# Altium PCB LimeNet-Micro_2v1.PcbDoc (part 3 of 11) (continued)
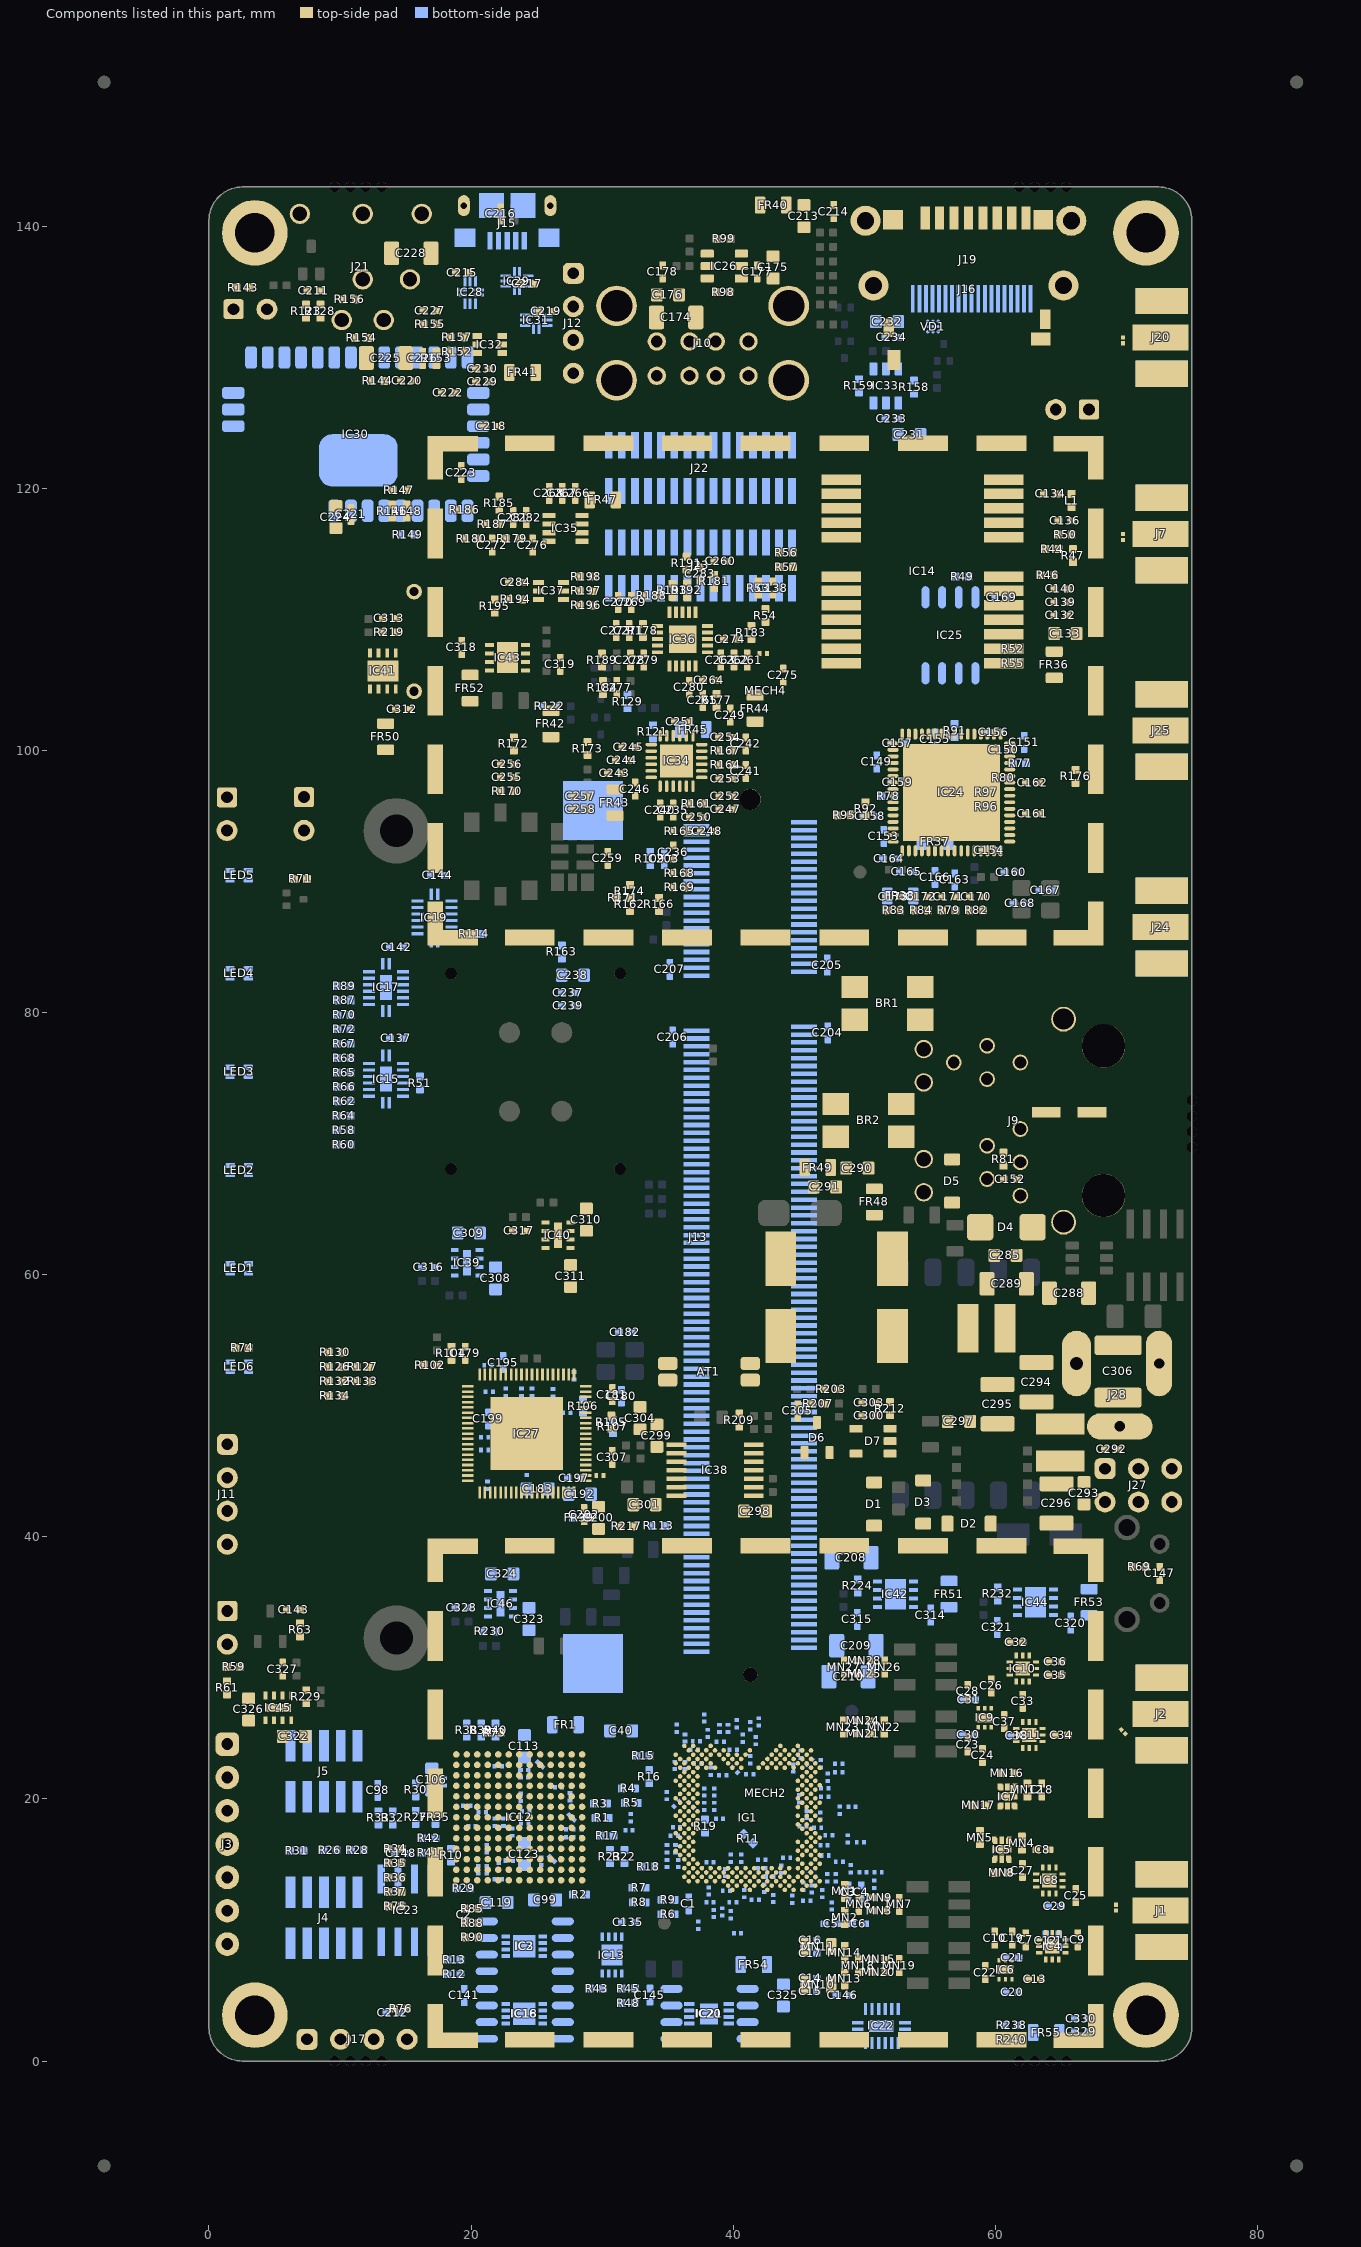
[diagram p7: the components of this part, seen from the top]
## Part data (continued)
C288 C289: library part Cap_1206, Manufacturer="TDK Corporation", Manufacturer Part Number 1=C3216X7S2A225K160AE, Operating Temperature="-55°C ~ 125°C", Package / Case="1206 (3216 Metric)", Ratings=-, Supplier Part Number 1=445-8900-1-ND, Temperature Coefficient=X7S, Tolerance=±10%, Voltage - Rated=100V, Applications="Boardflex Sensitive", Category=Capacitors, Failure Rate=-, Features="Soft Termination", Height - Seated (Max)=-, Lead Spacing=-, Lead Style=-, Mounting Type="Surface Mount, MLCC", Packaging="Cut Tape (CT)", Part Description="2.2µF ±10% 100V Ceramic Capacitor X7S 1206 (3216 Metric)", Part Status=Active, RoHS="RoHS Compliant", Size / Dimension="0.126\" L x 0.063\" W (3.20mm x 1.60mm)", Supplier 1=Digi-Key, Thickness (Max)="0.075\" (1.90mm)"
C290 C291 C297: library part Cap_0603, Capacitance=1nF, Case/Package=0603, Case Code (Metric)=1608, Dielectric=X7R, Dielectric Material=Ceramic, Manufacturer=KEMET, Manufacturer Part Number 1=C0603C102K1RACTU, Max Operating Temperature=125°C, Min Operating Temperature=-55°C, Package Quantity=1, Supplier Part Number 1=399-7831-2-ND, Tolerance=10%, Voltage=100V, Case Code (Imperial)=0603, Depth=0.8mm, Dissipation Factor=10%, Height=0.8mm, Lead Pitch=0.7mm, Length=1.6mm, Mount="Surface Mount", Number of Pins=2, Packaging="Tape and Reel", Part Description="1000pF ±10% 100V Ceramic Capacitor X7R 0603 (1608 Metric)", Radiation Hardening=No, REACH SVHC="No SVHC", Supplier 1=Digi-Key, Termination=SMD/SMT, Thickness=0.034inch, Voltage Rating=100V, Voltage Rating (DC)=100V, Width=0.8mm
  C297: ComponentLink1Description=https://www.verical.com/server-webapp/html/getDatasheet?partID=58478, ComponentLink1URL=https://www.verical.com/server-webapp/html/getDatasheet?partID=58478, ComponentLink2Description=http://www.mouser.com/ds/2/212/KEM_C1002_X7R_SMD-1102033.pdf, ComponentLink2URL=http://www.mouser.com/ds/2/212/KEM_C1002_X7R_SMD-1102033.pdf, ComponentLink3Description=https://www.verical.com/server-webapp/html/getDatasheet?partID=385466, ComponentLink3URL=https://www.verical.com/server-webapp/html/getDatasheet?partID=385466, ComponentLink4Description=http://www.farnell.com/datasheets/2121029.pdf, ComponentLink4URL=http://www.farnell.com/datasheets/2121029.pdf, Pricing 1="4000=0.01438 (USD)", Stock 1=700000
C294 C295 C296: library part Cap_1206, Capacitance=100uF, Case/Package=1210, Case Code (Metric)=3225, Manufacturer=Murata, Manufacturer Part Number 1=GRM32EC70J107ME15L, Max Operating Temperature=125°C, Min Operating Temperature=-55°C, Supplier Part Number 1=490-10530-1-ND, Tolerance=20%, Voltage Rating=6.3V, Case Code (Imperial)=1210, Height=2.5mm, Lead Free="Lead Free", Length=0.126inch, Material=Ceramic, Mount="Surface Mount", Packaging="Tape and Reel", Part Description="100µF ±20% 6.3V Ceramic Capacitor X7S 1210 (3225 Metric)", Pricing 1="1=0.75, 10=0.553, 100=0.3795, 500=0.30044 (USD)", Stock 1=129493, Supplier 1=Digi-Key, Thickness=0.106inch, Voltage Rating (DC)=6.3V, Width=0.098inch
C301: library part Cap_0603, Manufacturer="Samsung Electro-Mechanics", Manufacturer Part Number 1=CL10A105KA8NNNC, Operating Temperature="-55°C ~ 85°C", Package / Case="0603 (1608 Metric)", Ratings=-, Supplier Part Number 1=1276-1102-1-ND, Temperature Coefficient=X5R, Tolerance=±10%, Voltage - Rated=25V, Applications="General Purpose", Category=Capacitors, Features=-, Height - Seated (Max)=-, Lead Spacing=-, Lead Style=-, Mounting Type="Surface Mount, MLCC", Notification="Current market demand for these product types have resulted in fluctuating and extending lead times. Lead times may differ.", Packaging="Cut Tape (CT)", Part Description="1µF ±10% 25V Ceramic Capacitor X5R 0603 (1608 Metric)", Part Status=Active, RoHS="RoHS Compliant", Size / Dimension="0.063\" L x 0.031\" W (1.60mm x 0.80mm)", Supplier 1=Digi-Key, Thickness (Max)="0.035\" (0.90mm)"
C302: library part Cap_ceramic, Capacitance=22uF, Case/Package=Radial, Dielectric Material=Aluminium, ESR (Equivalent Series Resistance)=1.35R, Leakage Current=3uA, Manufacturer=Panasonic, Manufacturer Part Number 1=EEE-FK1C220UR, Max Operating Temperature=105°C, Min Operating Temperature=-55°C, Package Quantity=1, Ripple Current=90mA, Supplier Part Number 1=PCE3786CT-ND, Tolerance=20%, Voltage=16V, ComponentLink1Description=http://industrial.panasonic.com/www-data/pdf/ABA0000/ABA0000CE120.pdf, ComponentLink1URL=http://industrial.panasonic.com/www-data/pdf/ABA0000/ABA0000CE120.pdf, ComponentLink2Description=http://www.farnell.com/datasheets/2002520.pdf, ComponentLink2URL=http://www.farnell.com/datasheets/2002520.pdf, ComponentLink3Description=http://www.farnell.com/datasheets/1676921.pdf, ComponentLink3URL=http://www.farnell.com/datasheets/1676921.pdf, ComponentLink4Description=https://www.alliedelec.com/m/d/e9dd47fa10a053d1f2828ce8bc944f54.pdf, ComponentLink4URL=https://www.alliedelec.com/m/d/e9dd47fa10a053d1f2828ce8bc944f54.pdf, ComponentLink5Description=http://www.mouser.com/ds/2/315/ABA0000CE120-68386.pdf, ComponentLink5URL=http://www.mouser.com/ds/2/315/ABA0000CE120-68386.pdf, ComponentLink6Description=http://uk.rs-online.com/webdocs/139e/0900766b8139e3f4.pdf, ComponentLink6URL=http://uk.rs-online.com/webdocs/139e/0900766b8139e3f4.pdf, ComponentLink7Description=http://www.produktinfo.conrad.com/datenblaetter/425000-449999/443462-da-01-en-SMD_ELKO_VFK_B_22_UF_16V.pdf, ComponentLink7URL=http://www.produktinfo.conrad.com/datenblaetter/425000-449999/443462-da-01-en-SMD_ELKO_VFK_B_22_UF_16V.pdf, Contact Plating=Tin, Diameter=4mm, Height=5.8mm, Height - Seated (Max)=0.24inch, Impedance=1.35R, Lead Free="Lead Free", Length=5.8mm, Life (Hours)=2000Hour, Material=Aluminium, Mount="PCB,Surface Mount", Number of Pins=2, Packaging="Tape and Reel", Part Description="22µF 16V Aluminum Electrolytic Capacitors Radial, Can - SMD  2000 Hrs @ 105°C", Polarity=Polar, Pricing 1="1=0.36, 10=0.252, 100=0.1514, 500=0.11356, 1000=0.0959 (USD)", Radiation Hardening=No, REACH SVHC="No SVHC", Ripple Current (AC)=90mA, Stock 1=21538, Supplier 1=Digi-Key, Termination=SMD/SMT, Voltage Rating=16V, Voltage Rating (DC)=16V, Width=5.5mm
C303: library part Cap_0402, Capacitance=6.8nF, Case/Package=0402, Case Code (Metric)=1005, Dielectric=X7R, Manufacturer="Walsin Technologies", Manufacturer Part Number 1=0402B682K500CT, Max Operating Temperature=125°C, Min Operating Temperature=-55°C, Supplier Part Number 1=1292-1225-1-ND, Tolerance=10%, Voltage Rating=50V, Case Code (Imperial)=0402, ComponentLink1Description=https://www.verical.com/server-webapp/html/getDatasheet?partID=506879, ComponentLink1URL=https://www.verical.com/server-webapp/html/getDatasheet?partID=506879, Depth=0.5mm, Lead Free="Lead Free", Length=1mm, Packaging="Tape and Reel", Part Description="6800pF ±10% 50V Ceramic Capacitor X7R 0402 (1005 Metric)", Pricing 1="1=0.1, 10=0.036, 100=0.016, 500=0.01142, 1000=0.00897, 2500=0.00816, 5000=0.0075 (USD)", Radiation Hardening=No, REACH SVHC=Unknown, Stock 1=95289, Supplier 1=Digi-Key, Voltage Rating (DC)=50V
C304: library part Cap_0603, Capacitance=47nF, Case/Package=0603, Case Code (Metric)=1608, Dielectric=X7R, Manufacturer=Yageo, Manufacturer Part Number 1=CC0603KRX7R9BB473, Max Operating Temperature=125°C, Min Operating Temperature=-55°C, Package Quantity=1, Supplier Part Number 1=311-1427-1-ND, Tolerance=10%, Voltage=50V, Case Code (Imperial)=0603, ComponentLink1Description=http://www.yageo.com/documents/recent/UPY-GPHC_X7R_6.3V-to-50V_18.pdf, ComponentLink1URL=http://www.yageo.com/documents/recent/UPY-GPHC_X7R_6.3V-to-50V_18.pdf, ComponentLink2Description=http://www.yageo.com/exep/pages/download/literatures/ProductSelectionGuide%202014_Final_2.pdf, ComponentLink2URL=http://www.yageo.com/exep/pages/download/literatures/ProductSelectionGuide%202014_Final_2.pdf, ComponentLink3Description=http://documents.rs-components.com/techlib://itc_doclist_GB.htm?stockno=6698811, ComponentLink3URL=http://documents.rs-components.com/techlib://itc_doclist_GB.htm?stockno=6698811, ComponentLink4Description=http://www.farnell.com/datasheets/1489800.pdf, ComponentLink4URL=http://www.farnell.com/datasheets/1489800.pdf, ComponentLink5Description=https://www.verical.com/server-webapp/html/getDatasheet?partID=403593, ComponentLink5URL=https://www.verical.com/server-webapp/html/getDatasheet?partID=403593, Composition=Ceramic, Depth=0.8mm, Halogen Free="Halogen Free", Height=0.8mm, Lead Free="Lead Free", Length=1.6mm, Mount="Surface Mount", Packaging="Tape and Reel", Part Description="0.047µF ±10% 50V Ceramic Capacitor X7R 0603 (1608 Metric)", Pricing 1="1=0.11, 10=0.08, 100=0.0358, 500=0.02558, 1000=0.0201 (USD)", Radiation Hardening=No, REACH SVHC=Unknown, Stock 1=1174358, Supplier 1=Digi-Key, Termination=SMD/SMT, Thickness=0.035inch, Voltage Rating=50V, Voltage Rating (DC)=50V, Width=0.031inch
C306: library part Cap_1206, Capacitance=1nF, Case/Package=1812, Case Code (Metric)=4532, Dielectric=X7R, Dielectric Material=Ceramic, Manufacturer=KEMET, Manufacturer Part Number=C1812C102KGRACAUTO, Manufacturer Part Number 1=C1812C102KGRACTU, Max Operating Temperature=125°C, Min Operating Temperature=-55°C, Operating Temperature="-55°C ~ 125°C", Package / Case="1812 (4532 Metric)", Ratings=-, Supplier Part Number 1=399-3447-1-ND, Tolerance=±10%, Voltage - Rated="2000V (2kV)", Voltage Rating (DC)=2kV, Applications="General Purpose", Case Code (Imperial)=1812, Category=Capacitors, Failure Rate=-, Features="High Voltage", Height - Seated (Max)=-, Lead Spacing=-, Lead Style=-, Length=4.5mm, Mounting Type="Surface Mount, MLCC", Notification="Current market demand for these product types have resulted in fluctuating and extending lead times. Lead times may differ.", Packaging="Cut Tape (CT)", Part Description="1000pF ±10% 2000V (2kV) Ceramic Capacitor X7R 1812 (4532 Metric)", Part Status=Active, Pricing 2="1=0.51, 10=0.355, 100=0.2132, 500=0.1599 (USD)", RoHS="RoHS Compliant", Size / Dimension="0.177\" L x 0.126\" W (4.50mm x 3.20mm)", Stock 2=4004, Supplier 1=Digi-Key, Supplier 2=Digi-Key, Supplier Part Number 2=399-16774-1-ND, Temperature Coefficient=X7R, Termination=SMD/SMT, Thickness (Max)="0.061\" (1.55mm)", Weight=0.000952oz, Width=3.2mm
C307 C316 C317 C327 C328: library part Cap_0402, Capacitance=470pF, Manufacturer="TDK Corporation", Manufacturer Part Number 1=C1005C0G1H471J050BA, Operating Temperature="-55°C ~ 125°C", Package / Case="0402 (1005 Metric)", Ratings=-, Supplier Part Number 1=445-2656-6-ND, Temperature Coefficient="C0G, NP0", Tolerance=±5%, Voltage - Rated=50V, Applications="General Purpose", Category=Capacitors, Features=-, Height - Seated (Max)=-, Lead Spacing=-, Lead Style=-, Mounting Type="Surface Mount, MLCC", Packaging=Digi-Reel®, Part Description="470pF ±5% 50V Ceramic Capacitor C0G, NP0 0402 (1005 Metric)", RoHS="RoHS Compliant", Size / Dimension="0.039\" L x 0.020\" W (1.00mm x 0.50mm)", Supplier 1=Digi-Key, Thickness (Max)="0.022\" (0.55mm)"
  C307: Assembly Info=NF
D1: library part MBR0530T1G_shottky_diode, Average Rectified Current=500mA, Case/Package=SOD, Current=5A, Forward Voltage=430mV, Manufacturer="ON Semiconductor / Fairchild", Manufacturer Part Number 1=MBR0530T1G, Max Forward Surge Current (Ifsm)=5.5A, Max Operating Temperature=125°C, Max Repetitive Reverse Voltage (Vrrm)=30V, Max Reverse Leakage Current=130uA, Min Operating Temperature=-65°C, Package Quantity=3000, Supplier Part Number 1=MBR0530T1GOSCT-ND, ComponentLink1Description=http://www.mouser.com/ds/2/427/mmsz5225-102133.pdf, ComponentLink1URL=http://www.mouser.com/ds/2/427/mmsz5225-102133.pdf, ComponentLink2Description=http://www.farnell.com/datasheets/1708258.pdf, ComponentLink2URL=http://www.farnell.com/datasheets/1708258.pdf, ComponentLink3Description=https://www.distrelec.biz/Web/Downloads/26/_e/sz600926_e.pdf?mime=application%2Fpdf, ComponentLink3URL=https://www.distrelec.biz/Web/Downloads/26/_e/sz600926_e.pdf?mime=application%2Fpdf, ComponentLink4Description=http://www.onsemi.com/pub_link/Collateral/MBR0530T1-D.PDF, ComponentLink4URL=http://www.onsemi.com/pub_link/Collateral/MBR0530T1-D.PDF, ComponentLink5Description=http://www.alliedelec.com/m/d/65b97ea0ac6fde880d352b291ad3d7d6.pdf, ComponentLink5URL=http://www.alliedelec.com/m/d/65b97ea0ac6fde880d352b291ad3d7d6.pdf, ComponentLink6Description=http://www.farnell.com/datasheets/85890.pdf, ComponentLink6URL=http://www.farnell.com/datasheets/85890.pdf, ComponentLink7Description=http://www.onsemi.com/pub/Collateral/MBR0530T1-D.PDF, ComponentLink7URL=http://www.onsemi.com/pub/Collateral/MBR0530T1-D.PDF, Contact Plating=Matte,Tin, Element Configuration=Single, Forward Current=500mA, Height=1.12mm, Length=2.69mm, Max Reverse Voltage (DC)=30V, Max Surge Current=5.5A, Mount="Surface Mount", Number of Pins=2, Packaging="Tape and Reel", Part Description="Diode Schottky 30V 500mA Surface Mount SOD-123", Peak Non-Repetitive Surge Current=5.5A, Peak Reverse Current=130uA, Pricing 1="1 = 0,35000, 10 = 0,28600, 100 = 0,15180, 500 = 0,09986, 1000 = 0,06791 (USD)", Radiation Hardening=No, REACH SVHC="No SVHC", Stock 1=121944, Supplier 1=Digi-Key, Voltage=30V, Width=1.6mm
D2 D3: library part MMSZ5245B_shottky_diode, Case/Package=SOD-123-2, Manufacturer="Vishay Semiconductors", Manufacturer Part Number 1=MMSZ5245B-E3-18, Max Operating Temperature=150°C, Max Power Dissipation=500mW, Min Operating Temperature=-55°C, Package Quantity=10000, Peak Reverse Current=100nA, Supplier Part Number 1=MMSZ5245B-E3-18GICT-ND, Tolerance=5%, Zener Voltage=15V, ComponentLink1Description=http://www.mouser.com/ds/2/427/mmsz5225-102133.pdf, ComponentLink1URL=http://www.mouser.com/ds/2/427/mmsz5225-102133.pdf, Element Configuration=Single, Impedance=16R, Mount="Surface Mount", Packaging="Tape and Reel", Part Description="Zener Diode 15V 500mW ±5% Surface Mount SOD-123", Pricing 1="1 = 0,28000, 10 = 0,23300, 25 = 0,19480, 100 = 0,12330, 250 = 0,09516, 500 = 0,08112, 1000 = 0,05516, 2500 = 0,04975, 5000 = 0,04326 (USD)", RoHS=Yes, Stock 1=29874, Supplier 1=Digi-Key, Voltage Tolerance=5%, Weight=0.000363oz
D4: library part MURA120T3G_diode, Average Rectified Current=2A, Case/Package=SMA, Forward Voltage=875mV, Manufacturer="ON Semiconductor", Manufacturer Part Number 1=MURA120T3G, Max Forward Surge Current (Ifsm)=40A, Max Operating Temperature=175°C, Max Repetitive Reverse Voltage (Vrrm)=200V, Min Operating Temperature=-65°C, Output Current=1A, Package Quantity=1, Peak Reverse Current=2uA, Supplier Part Number 1=MURA120T3GOSCT-ND, ComponentLink1Description=http://www.mouser.com/ds/2/427/mmsz5225-102133.pdf, ComponentLink1URL=http://www.mouser.com/ds/2/427/mmsz5225-102133.pdf, ComponentLink2Description=http://www.onsemi.com/pub/Collateral/MMSD4148T1-D.PDF, ComponentLink2URL=http://www.onsemi.com/pub/Collateral/MMSD4148T1-D.PDF, ComponentLink3Description=http://www.farnell.com/datasheets/1707241.pdf, ComponentLink3URL=http://www.farnell.com/datasheets/1707241.pdf, ComponentLink4Description=https://www.verical.com/server-webapp/html/getDatasheet?partID=78734, ComponentLink4URL=https://www.verical.com/server-webapp/html/getDatasheet?partID=78734, ComponentLink5Description=http://www.onsemi.com/pub/Collateral/MURA115T3-D.PDF, ComponentLink5URL=http://www.onsemi.com/pub/Collateral/MURA115T3-D.PDF, ComponentLink6Description=http://www.jameco.com/Jameco/Products/ProdDS/1100812.pdf, ComponentLink6URL=http://www.jameco.com/Jameco/Products/ProdDS/1100812.pdf, ComponentLink7Description=http://uk.rs-online.com/webdocs/1221/0900766b812212fb.pdf, ComponentLink7URL=http://uk.rs-online.com/webdocs/1221/0900766b812212fb.pdf, ComponentLink8Description=http://www.farnell.com/datasheets/1750742.pdf, ComponentLink8URL=http://www.farnell.com/datasheets/1750742.pdf, Contact Plating=Matte,Tin, Current Rating=2A, Element Configuration=Single, Forward Current=2A, Halogen Free="Halogen Free", Height=2.05mm, Lead Free="Lead Free", Length=4.57mm, Max Reverse Voltage (DC)=200V, Max Surge Current=40A, Number of Pins=2, Packaging="Tape and Reel", Part Description="Diode Standard 200V 2A Surface Mount SMA", Peak Non-Repetitive Surge Current=40A, Polarity=Standard, Pricing 1="1 = 0,39000, 10 = 0,31900, 100 = 0,21720, 500 = 0,16288, 1000 = 0,12217 (USD)", Radiation Hardening=No, REACH SVHC="No SVHC", Recovery Time=35ns, Reverse Recovery Time=35ns, Reverse Voltage=200V, RoHS=Yes, Stock 1=48194, Supplier 1=Digi-Key, Voltage Rating (DC)=200V, Width=2.92mm
D5: library part MMSD4148T1G_diode, Average Rectified Current=200mA, Capacitance=4pF, Case/Package=SOD-123-2, Current Rating=200A, Forward Voltage=1V, Manufacturer="ON Semiconductor", Manufacturer Part Number 1=MMSD4148-T1G, Max Forward Surge Current (Ifsm)=2A, Max Operating Temperature=150°C, Max Repetitive Reverse Voltage (Vrrm)=100V, Max Reverse Leakage Current=5uA, Min Operating Temperature=-55°C, Package Quantity=1, Power Dissipation=425mW, Supplier Part Number 1=MMSD4148T1GOSCT-ND, ComponentLink1Description=http://www.mouser.com/ds/2/427/mmsz5225-102133.pdf, ComponentLink1URL=http://www.mouser.com/ds/2/427/mmsz5225-102133.pdf, ComponentLink2Description=http://www.onsemi.com/pub/Collateral/MMSD4148T1-D.PDF, ComponentLink2URL=http://www.onsemi.com/pub/Collateral/MMSD4148T1-D.PDF, ComponentLink3Description=http://www.farnell.com/datasheets/1707241.pdf, ComponentLink3URL=http://www.farnell.com/datasheets/1707241.pdf, ComponentLink4Description=https://www.verical.com/server-webapp/html/getDatasheet?partID=78734, ComponentLink4URL=https://www.verical.com/server-webapp/html/getDatasheet?partID=78734, Contact Plating=Matte,Tin, Element Configuration=Single, Forward Current=200mA, Halogen Free="Halogen Free", Height=1.12mm, Lead Free="Lead Free", Length=2.69mm, Max Reverse Voltage (DC)=100V, Max Surge Current=2A, Number of Pins=2, Output Current=200mA, Packaging="Tape and Reel", Part Description="Diode Standard 100V 200mA (DC) Surface Mount SOD-123", Peak Non-Repetitive Surge Current=2A, Peak Reverse Current=5uA, Polarity=Standard, Pricing 1="1 = 0,21000, 10 = 0,19200, 100 = 0,10450, 500 = 0,06432, 1000 = 0,04386 (USD)", Radiation Hardening=No, REACH SVHC="No SVHC", Recovery Time=4ns, Reverse Recovery Time=4ns, RoHS=Yes, Stock 1=767963, Supplier 1=Digi-Key, Voltage Rating (DC)=100V, Width=1.6mm
D6: library part BAT54SLT1G_shottky_diode, Average Rectified Current=200mA, Capacitance=10pF, Case/Package=SOT-23-3, Forward Voltage=800mV, Manufacturer="ON Semiconductor", Max Forward Surge Current (Ifsm)=600mA, Max Operating Temperature=150°C, Max Repetitive Reverse Voltage (Vrrm)=30V, Max Reverse Leakage Current=2uA, Min Operating Temperature=-55°C, Package Quantity=3000, Peak Non-Repetitive Surge Current=1A, Power Dissipation=225mW, Supplier Part Number 1=BAT54SLT1GOSCT-ND, ComponentLink1Description=http://www.farnell.com/datasheets/1918741.pdf, ComponentLink1URL=http://www.farnell.com/datasheets/1918741.pdf, ComponentLink2Description=http://www.farnell.com/datasheets/2353871.pdf, ComponentLink2URL=http://www.farnell.com/datasheets/2353871.pdf, ComponentLink3Description=https://www.alliedelec.com/m/d/272158a697e3f24d20806a718aa29d59.pdf, ComponentLink3URL=https://www.alliedelec.com/m/d/272158a697e3f24d20806a718aa29d59.pdf, ComponentLink4Description=http://www.onsemi.com/pub/Collateral/BAT54SLT1-D.PDF, ComponentLink4URL=http://www.onsemi.com/pub/Collateral/BAT54SLT1-D.PDF, Contact Plating=Matte,Tin, Current Rating=200mA, Element Configuration=Dual, Forward Current=200mA, Halogen Free="Halogen Free", Height=0.94mm, Lead Free="Lead Free", Length=2.9mm, Manufacturer Part Number 1=BAT54SLT1G, Max Reverse Voltage (DC)=30V, Max Surge Current=600mA, Number of Pins=3, Packaging="Tape and Reel", Part Description="Diode Array 1 Pair Series Connection Schottky 30V 200mA (DC) Surface Mount TO-236-3, SC-59, SOT-23-3", Peak Reverse Current=2uA, Pricing 1="1 = 0,19000, 10 = 0,17200, 100 = 0,09350, 500 = 0,05756, 1000 = 0,03925 (USD)", Radiation Hardening=No, REACH SVHC="No SVHC", Recovery Time=5ns, Reverse Recovery Time=5ns, RoHS=Yes, Stock 1=1449452, Supplier 1=Digi-Key, Voltage Rating (DC)=30V, Width=1.3mm
D7: library part TS431AILT_VREF_ADJ, Case/Package=SOT-23, Cathode Current=80uA, Manufacturer="Texas Instruments", Manufacturer Part Number 1=TLV431AIDBVR, Max Input Voltage=7V, Max Operating Temperature=125°C, Max Output Current=15mA, Max Output Voltage=6V, Min Input Voltage=1.24V, Min Operating Temperature=-40°C, Package Quantity=1, Supplier Part Number 1=296-1984-1-ND, Temperature Coefficient=129ppm/°C, Tolerance=1%, ComponentLink1Description=https://www.verical.com/server-webapp/html/getDatasheet?partID=139054, ComponentLink1URL=https://www.verical.com/server-webapp/html/getDatasheet?partID=139054, ComponentLink2Description=http://www.st.com/content/ccc/resource/technical/document/datasheet/group1/3f/2e/70/d8/11/ee/47/a9/CD00001336/files/CD00001336.pdf/jcr:content/translations/en.CD00001336.pdf, ComponentLink2URL=http://www.st.com/content/ccc/resource/technical/document/datasheet/group1/3f/2e/70/d8/11/ee/47/a9/CD00001336/files/CD00001336.pdf/jcr:content/translations/en.CD00001336.pdf, ComponentLink3Description=http://www.st.com/web/en/resource/technical/document/datasheet/CD00001336.pdf, ComponentLink3URL=http://www.st.com/web/en/resource/technical/document/datasheet/CD00001336.pdf, ComponentLink4Description=http://www.farnell.com/datasheets/1700526.pdf, ComponentLink4URL=http://www.farnell.com/datasheets/1700526.pdf, ComponentLink5Description=http://www.mouser.com/ds/2/389/ts431-957324.pdf, ComponentLink5URL=http://www.mouser.com/ds/2/389/ts431-957324.pdf, ComponentLink6Description=http://www.produktinfo.conrad.com/datenblaetter/1100000-1199999/001185084-da-01-en-IC_VREF_SHUNT_PRE_TS431AILT_SOT_23_5_STM.pdf, ComponentLink6URL=http://www.produktinfo.conrad.com/datenblaetter/1100000-1199999/001185084-da-01-en-IC_VREF_SHUNT_PRE_TS431AILT_SOT_23_5_STM.pdf, ComponentLink7Description=http://datasheet.iiic.cc/stmicroelectronics/TS431AILT.pdf, ComponentLink7URL=http://datasheet.iiic.cc/stmicroelectronics/TS431AILT.pdf, ComponentLink8Description=http://www.ti.com/lit/ds/symlink/tlv431a.pdf, ComponentLink8URL=http://www.ti.com/lit/ds/symlink/tlv431a.pdf, ComponentLink9Description=http://www.jameco.com/Jameco/Products/ProdDS/1100661.pdf, ComponentLink9URL=http://www.jameco.com/Jameco/Products/ProdDS/1100661.pdf, ComponentLink10Description=http://www.farnell.com/datasheets/1887487.pdf, ComponentLink10URL=http://www.farnell.com/datasheets/1887487.pdf, ComponentLink11Description=http://www.ti.com/general/docs/lit/getliterature.tsp?genericPartNumber=TLV431&&fileType=pdf, ComponentLink11URL=http://www.ti.com/general/docs/lit/getliterature.tsp?genericPartNumber=TLV431&&fileType=pdf, Height=1.15mm, Lead Free="Lead Free", Length=2.9mm, Min Output Voltage=1.24V, Number of Channels=1, Number of Pins=5, Output Current=15mA, Output Voltage=6V, Packaging="Tape and Reel", Part Description="Shunt Voltage Reference IC 6V ±1% 15mA SOT-23-5", Pricing 1="1=0.72, 10=0.636, 100=0.4873, 500=0.38522, 1000=0.30818 (USD)", Radiation Hardening=No, REACH SVHC="No SVHC", Reference Type=Adjustable,Shunt, Reference Voltage=6V, Stock 1=14941, Supplier 1=Digi-Key, Termination=SMD/SMT, Weight=0.000557oz, Width=1.6mm
ESD1 ESD2 ESD3 ESD4: Capacitance @ Frequency="0.2pF @ 1MHz", Current - Peak Pulse (10/1000µs)="3A (8/20µs)", Manufacturer="ON Semiconductor", Manufacturer Part Number 1=ESD8472MUT5G, Operating Temperature="-55°C ~ 150°C (TJ)", Package / Case=2-XFDFN, Power - Peak Pulse=-, Power Line Protection=No, Supplier Device Package="2-X3DFN (0.62x0.32)", Supplier Part Number 1=ESD8472MUT5GOSCT-ND, Voltage - Breakdown (Min)=7V, Voltage - Clamping (Max) @ Ipp=14V, Voltage - Reverse Standoff (Typ)="5.3V (Max)", Applications="Automotive, RF Antenna", Assembly Info=NF, Category="Circuit Protection", ComponentLink1Description=http://www.onsemi.com/pub/Collateral/ESD8472-D.PDF, ComponentLink1URL=http://www.onsemi.com/pub/Collateral/ESD8472-D.PDF, Mounting Type="Surface Mount", Packaging="Cut Tape (CT)", Part Description="TVS DIODE 5.3VWM 14VC X3DFN2", Part Status=Active, Pricing 1="1=0.39, 10=0.315, 100=0.2142, 500=0.16068, 1000=0.12051 (USD)", RoHS="RoHS Compliant", Stock 1=2295, Supplier 1=Digi-Key, Type=Zener
FR1 FR36 FR37 FR38 FR40 FR41 FR42 FR43 FR44 FR45 FR47 FR48 FR49 FR50 FR51 FR52 FR53 FR54 FR55: library part Ferrite, Current Rating=2A, DC Resistance (DCR)="100 mOhm Max", Impedance @ Frequency="600 Ohm @ 100MHz", Manufacturer="TDK Corporation", Manufacturer Part Number 1=MPZ2012S601AT000, Package / Case="0805 (2012 Metric)", Supplier Part Number 1=445-2206-2-ND, Category=Filters, Filter Type="Differential Mode - Single", Height (Max)="0.041\" (1.05mm)", Mounting Type="Surface Mount", Packaging="Tape & Reel (TR)", Part Description="FERRITE BEAD 600 OHM 0805 1LN", RoHS="RoHS Compliant", Size / Dimension="0.079\" L x 0.049\" W (2.00mm x 1.25mm)", Supplier 1=Digi-Key
  FR50: Assembly Info=NF
FR2 FR3 FR4 FR5 FR6 FR7 FR8 FR9 FR10 FR11 FR12 FR13 FR14 FR15 FR16 FR17 FR18 FR19 FR20 FR21 FR22 FR23 FR24 FR25 FR26 FR27 FR28 FR29 FR30 FR31 FR32 FR33 FR34 FR46: library part Ferrite, Current Rating=270mA, DC Resistance (DCR)="750 mOhm Max", Impedance @ Frequency="600 Ohm @ 100MHz", Manufacturer="Taiyo Yuden", Manufacturer Part Number 1=BK0603TS601-T, Package / Case="0201 (0603 Metric)", Supplier Part Number 1=587-3277-1-ND, Category=Filters, Filter Type="Differential Mode - Single", Height (Max)="0.013\" (0.33mm)", Mounting Type="Surface Mount", Packaging="Cut Tape (CT)", Part Description="FERRITE BEAD 600 OHM 0201 1LN", RoHS="RoHS Compliant", Size / Dimension="0.024\" L x 0.012\" W (0.60mm x 0.30mm)", Supplier 1=Digi-Key
FR35 FR39: library part Ferrite, Current Rating=900mA, DC Resistance (DCR)="220 mOhm Max", Impedance @ Frequency="220 Ohm @ 100MHz", Manufacturer="TDK Corporation", Manufacturer Part Number 1=MPZ1005S221ET000, Package / Case="0402 (1005 Metric)", Supplier Part Number 1=445-9329-2-ND, Category=Filters, Part Description="FERRITE BEAD 220 OHM 0402 1LN", Supplier 1=Digi-Key
IC1: library part LMS7002Mr3, "Schematic symbol revision 3. Default footprint - 0.31mm pad", Manufacturer="Lime Microsystems", Manufacturer Part Number 1=LMS7002M, Part Description="IC FPRF Transceiver LMS7002M; 261 pin aQFN", Supplier 1="Lime Microsystems", Supplier Part Number 1=LMS7002M
IC2 IC16: library part M24128-DFMC6TG, Manufacturer=STMicroelectronics, Operating Temperature="-40°C ~ 85°C (TA)", Package / Case="8-UFDFN Exposed Pad", Supplier Device Package="8-UFDFPN (2x3)", Supplier Part Number 1=497-15739-1-ND, Voltage - Supply="1.7 V ~ 5.5 V", Assembly Info=NF, Category="Integrated Circuits (ICs)", ComponentLink1Description=http://www.st.com/content/ccc/resource/technical/document/datasheet/59/05/c9/5b/7b/41/48/b6/CD00259167.pdf/files/CD00259167.pdf/jcr:content/translations/en.CD00259167.pdf, ComponentLink1URL=http://www.st.com/content/ccc/resource/technical/document/datasheet/59/05/c9/5b/7b/41/48/b6/CD00259167.pdf/files/CD00259167.pdf/jcr:content/translations/en.CD00259167.pdf, Manufacturer Part Number 1=M24128-DFMC6TG, Memory Format=EEPROM, Memory Interface=I²C, Memory Size="128Kb (16K x 8)", Memory Type=Non-Volatile, Mounting Type="Surface Mount", Packaging="Cut Tape (CT)", Part Description="EEPROM Memory IC 128Kb (16K x 8) I²C 1MHz 450ns 8-UFDFPN (2x3)", Part Status=Active, Pricing 1="1=0.35, 10=0.348, 100=0.2854, 500=0.27748, 1000=0.27004 (USD)", RoHS="RoHS Compliant", Stock 1=5894, Supplier 1=Digi-Key, Technology=EEPROM, Write Cycle Time - Word, Page=5ms
IC3 IC18: library part 24FC64F, Base Part Number=CAT24C128, Manufacturer="ON Semiconductor", Operating Temperature="-40°C ~ 85°C (TA)", Package / Case="8-SOIC (0.154\", 3.90mm Width)", Supplier Device Package=8-SOIC, Supplier Part Number 1=CAT24C128WI-GT3CT-ND, Voltage - Supply="1.8 V ~ 5.5 V", Category="Integrated Circuits (ICs)", ComponentLink1Description=http://www.onsemi.com/pub/Collateral/CAT24C128-D.PDF, ComponentLink1URL=http://www.onsemi.com/pub/Collateral/CAT24C128-D.PDF, Manufacturer Part Number 1=CAT24C128WI-GT3, Memory Format=EEPROM, Memory Interface=I²C, Memory Size="128Kb (16K x 8)", Memory Type=Non-Volatile, Mounting Type="Surface Mount", Packaging="Cut Tape (CT)", Part Description="EEPROM Memory IC 128Kb (16K x 8) I²C 1MHz 400ns 8-SOIC", Part Status=Active, Pricing 1="1=0.31, 10=0.309, 100=0.2532, 500=0.24616, 1000=0.23956 (USD)", RoHS="RoHS Compliant", Stock 1=14804, Supplier 1=Digi-Key, Technology=EEPROM, Write Cycle Time - Word, Page=5ms
IC4 IC8 IC10 IC11: Frequency - Lower=100MHz, Insertion Loss @ Frequency="0.9dB @ 6GHz", Isolation @ Frequency="17dB @ 6GHz (typ)", Manufacturer="Peregrine Semiconductor", Manufacturer Part Number 1=PE42422MLAA-Z, Operating Temperature="-40°C ~ 85°C", Package / Case="12-UFQFN Exposed Pad", Supplier Device Package="12-QFN (2x2)", Supplier Part Number 1=1046-1062-1-ND, Voltage - Supply="2.3 V ~ 5.5 V", Category="RF/IF and RFID", Circuit=SPDT, ComponentLink1Description=http://www.psemi.com/pdf/datasheets/pe42422ds.pdf, ComponentLink1URL=http://www.psemi.com/pdf/datasheets/pe42422ds.pdf, Features=-, IIP3="70dBm (typ)", Impedance="50 Ohm", P1dB=-, Packaging="Cut Tape (CT)", Part Description="IC RF SWITCH SPDT 50 OHM 12QFN", Part Status=Active, Pricing 1="1=1.32, 101=0.92 (USD)", RF Type="General Purpose", RoHS="RoHS Compliant", Stock 1=21993, Supplier 1=Digi-Key, Topology=Reflective
IC5: library part Duplexer_taiyo_yuden_8pin, Manufacturer="Taiyo Yuden", Manufacturer Part Number 1=D5DA942M5K2S2, Assembly Info=NF, Part Description="RF Diplexor 880MHz ~ 915MHz / 925MHz ~ 960MHz 8-SMD, No Lead", Supplier 1="Taiyo Yuden", Supplier Part Number 1=D5DA942M5K2S2
IC6 IC9: Frequency - Lower=100MHz, Insertion Loss @ Frequency="0.9dB @ 6GHz", Isolation @ Frequency="14dB @ 6GHz (typ)", Manufacturer="Skyworks Solutions Inc.", Operating Temperature="-40°C ~ 85°C", Package / Case="6-XFDFN Exposed Pad", Supplier Device Package="6-MLPD (1.5x1.5)", Supplier Part Number 1=863-1455-1-ND, Voltage - Supply=-, Category="RF/IF and RFID", Circuit=DPDT, ComponentLink1Description=http://www.skyworksinc.com/uploads/documents/201665B.pdf, ComponentLink1URL=http://www.skyworksinc.com/uploads/documents/201665B.pdf, Features=-, IIP3="50dBm (typ)", Impedance="50 Ohm", Manufacturer Part Number 1=SKY13411-374LF, P1dB="30dBm (typ) IP1dB", Packaging="Cut Tape (CT)", Part Description="RF Switch IC 802.11a/b/g/n DPDT 50 Ohm 6-MLPD (1.5x1.5)", Part Status=Active, Pricing 1="1=0.88, 10=0.782, 100=0.6099, 500=0.50382, 1000=0.39776 (USD)", RF Type=802.11a/b/g/n, RoHS="RoHS Compliant", Stock 1=18782, Supplier 1=Digi-Key, Topology=Reflective